# Altium PCB 电磁阀V3.0.PcbDoc (part 2 of 2)
Units mm, origin at the board's own origin, x right, y up, seen from the top; angles counter-clockwise.
Board outline 110.27 x 95.22 mm, 2 copper layers (Top Layer, Bottom Layer); 189 components, 127 nets, 558 pads, 104 vias.
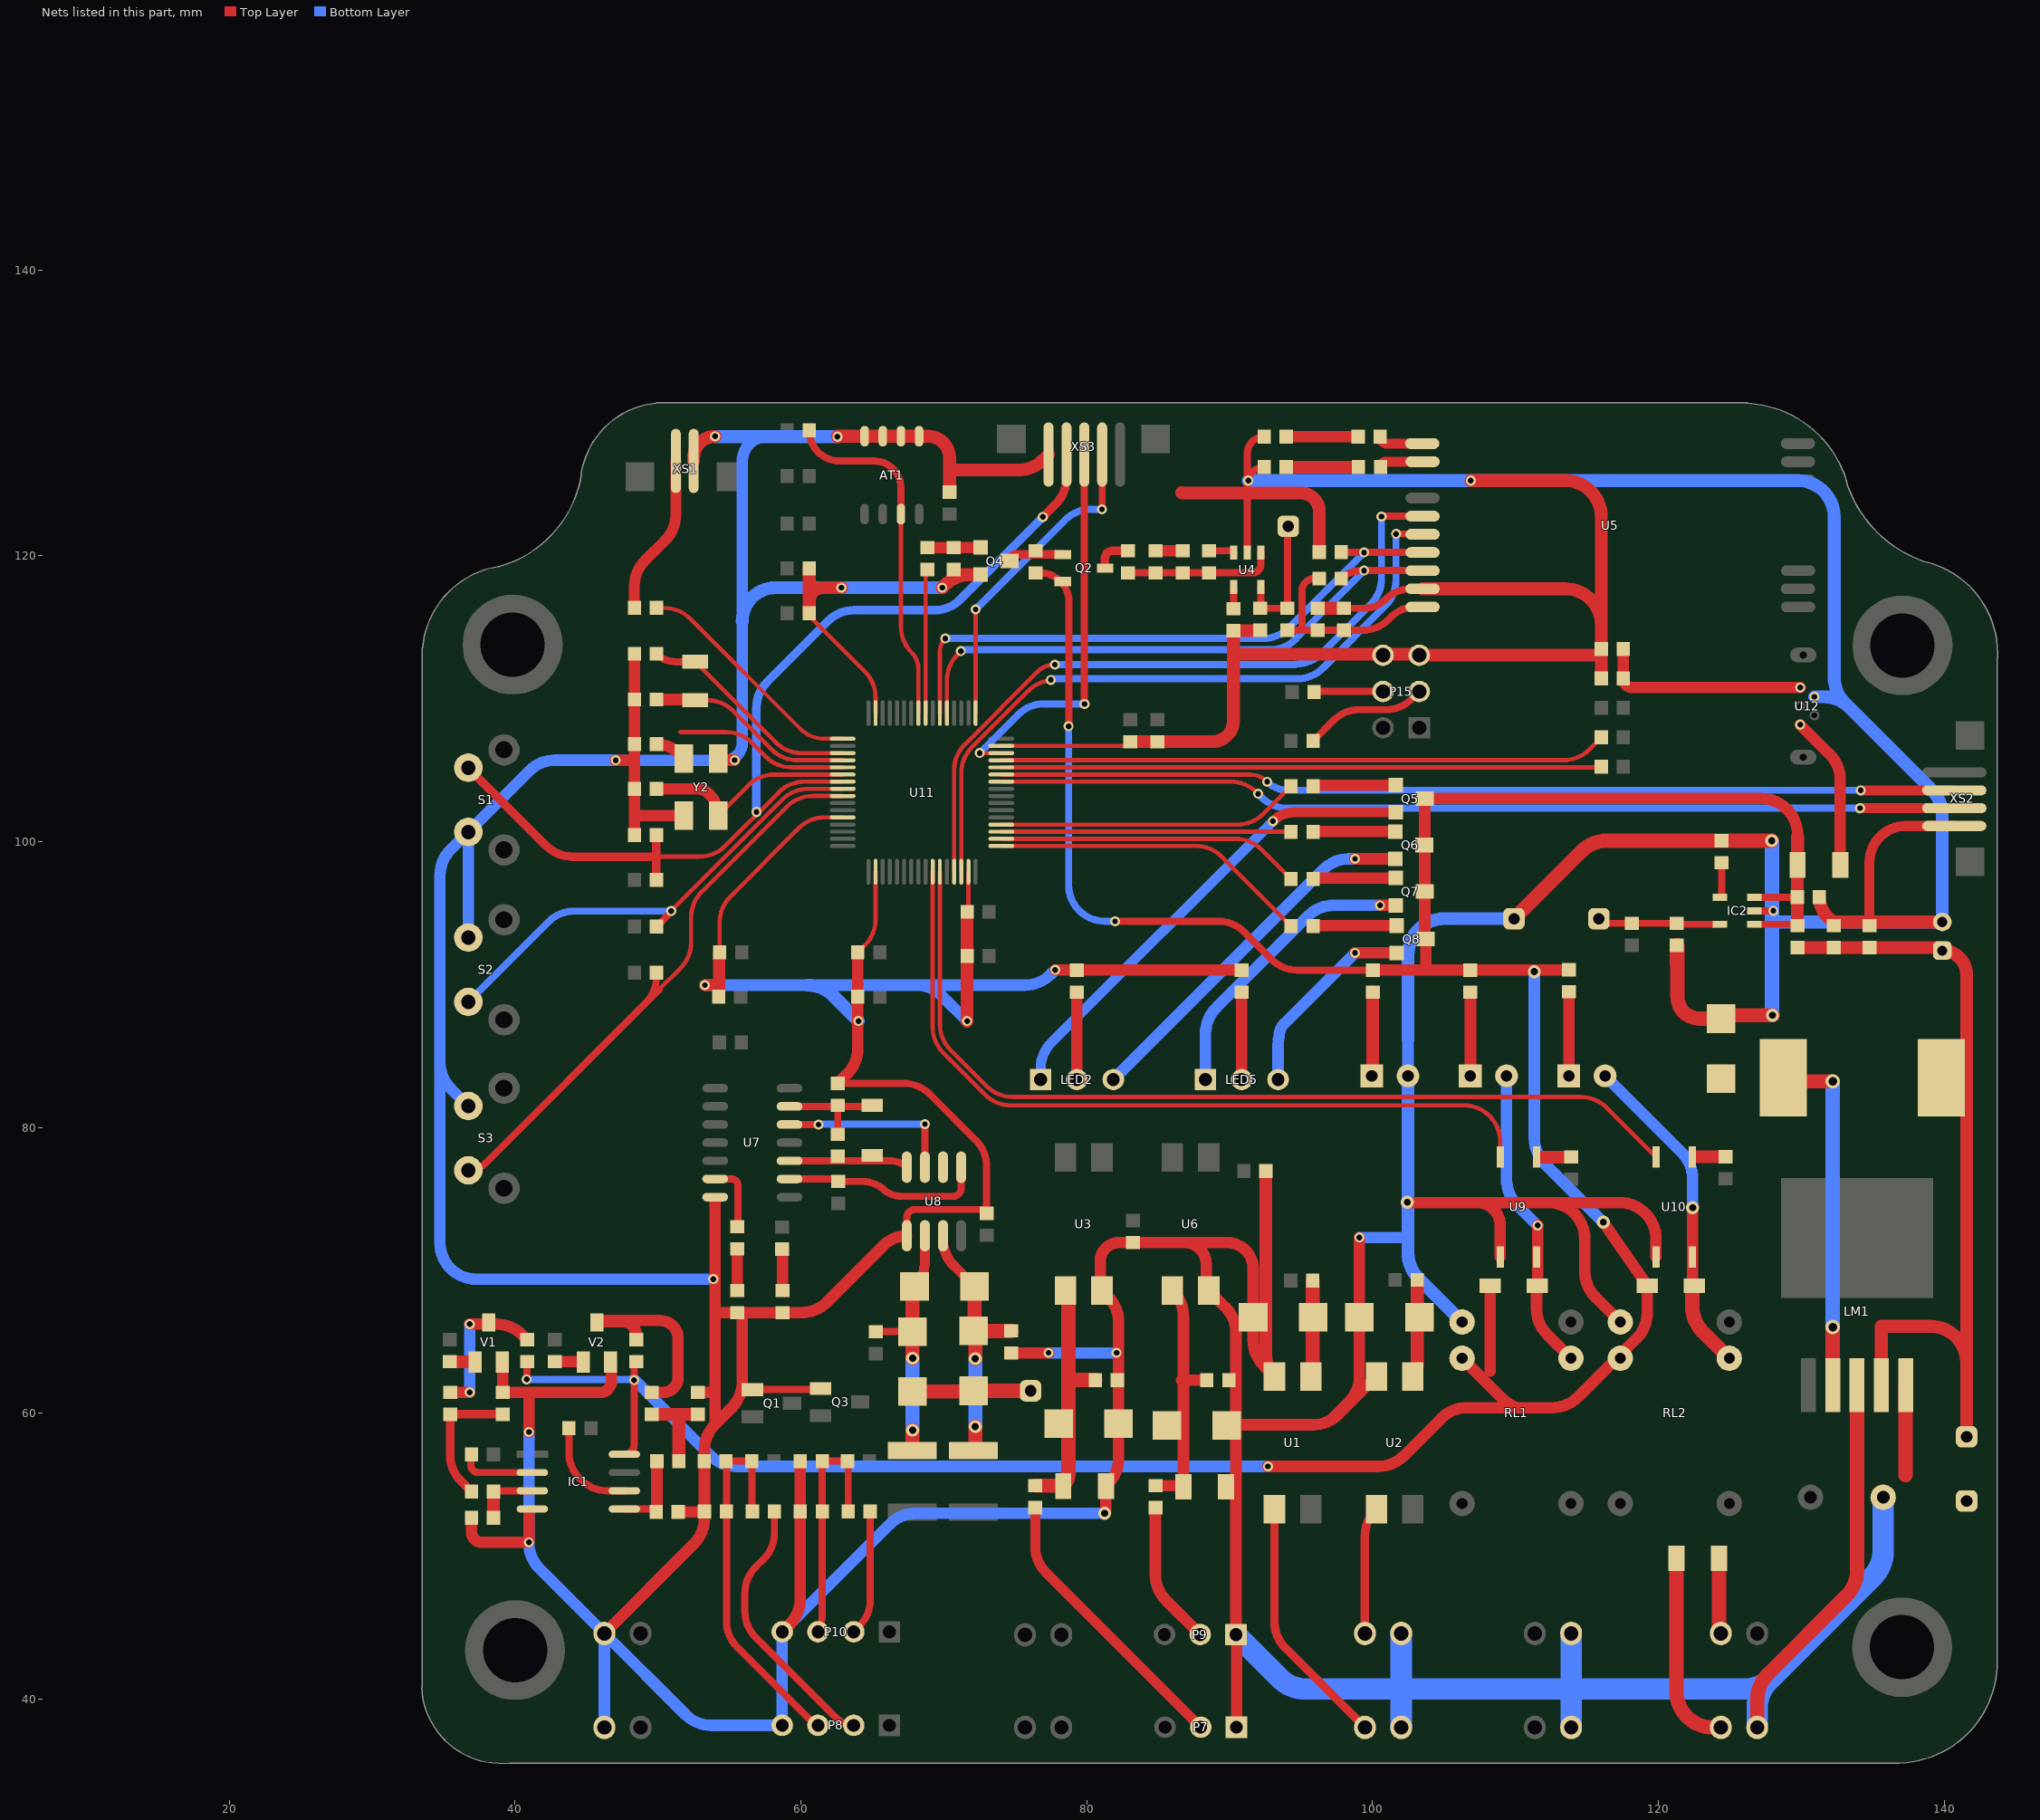
[diagram p2: the nets of this part, all layers, seen from the top]

## Via types
v1: diameter 0.7, hole 0.4, Top Layer to Bottom Layer, 87 vias
v2: diameter 0.9, hole 0.5, Top Layer to Bottom Layer, 15 vias
v3: diameter 1, hole 0.6, Top Layer to Bottom Layer, 2 vias

## Nets (pads, with @x,y where several pads share a name; then routed paths per layer and width w, separated by ;. In a path a pad name is that pad's centre, name@x,y a point inside that pad or via, vN(x,y) a via of type N, cw(c..) or ccw(c..) an arc to the next point about the centre after c; other vN are vias at no path point) (continued)
GND: AT1.1 AT1.2 AT1.3 AT1.4 C1.1 C2.1 C3.2 C4.2 C5.1 C6.1 C7.1 C8.1 C9.1 C10.2 C11.1 C12.1 C13.1 C14.1 C15.1 C16.1 C17.1 C18.1 C19.2 C20.2 C21.1 C22.1 C23.1 C24.2 C25.2 C26.2 C27.2 C28.2 C29.1 C30.2 C31.2 C32.2 C33.1 C34.1 C35.1 C36.1 C37.1 C38.1 C39.2 C40.2 D1.1 D2.1 D3.1 D4.1 D5.K D6.K D7.1 D12.K D13.K GND1.1 GND-1.1 IC1.4 IC2.2 LED1.2 LM1.3 LM1.5 P1.2 P3.2 P4.2 P5.1 P6.1 P7.1 P8.4 P9.1 P10.4 P13.2 P14.2 P15.5 P15.6 Q1.1 Q3.1 Q4.2 R16.1 R19.1 R24.1 R28.1 R29.1 R33.1 R35.1 R36.1 R38.1 R43.1 R53.1 R60.1 RL1.1 RL2.1 S1.1 S2.2 S3.2 U1.2 U2.2 U3.2 U4.2 U5.9 U6.2 U7.7 U8.5 U9.3 U10.3 U11.12 U11.18 U11.31 U11.47 U11.63 U12.4 V1.2 V2.2 XS1.1 XS2.4 XS3.1 Y2.2 Y2.4 | length 1053.3
  Top Layer w0.3: C35.1@54.323,92.253 54.323,94.368 cw(c56.863,94.368) 55.067,96.164 59.863,100.96 cw(c61.659,99.164) 61.659,101.704 U11.12@62.928,101.704 ; C24.2@60.587,116.002 60.587,115.799 64.484,111.901 cw(c62.688,110.105) 65.228,110.105 U11.63@65.228,109.004 ; C38.1@63.983,92.253 64.484,92.755 ccw(c62.688,94.551) 65.228,94.551 U11.18@65.228,97.904 ; C39.2@71.636,95.098 ccw(c71.636,95.19) 71.728,95.19 U11.31@71.728,97.904 ; U11.47@74.028,106.704 C29.1@83.045,106.704
  Top Layer w0.5: Q1.1@56.617,61.671 Q3.1@60.706,61.671 ; C20.2@62.586,83.091 67.215,83.091 cw(c67.215,80.551) 69.011,82.347 72.256,79.103 cw(c70.46,77.307) 73,77.307 C19.2@73,73.998 ccw(c72.728,73.998) 72.728,74.27 67.996,74.27 ccw(c67.996,73.685) 67.412,73.685 U8.5@67.412,72.428 ; U4.2@91.252,120.612 91.252,124.409 91.252,125.042 cw(c92.423,125.042) D6.K@92.423,126.213 ; v1@91.252,125.273 91.252,127.176 cw(c92.423,127.176) D5.K@92.423,128.346 ; C16.1@98.019,116.343 99.418,116.343 ccw(c99.418,118.449) 100.907,116.96 cw(c102.703,115.164) 102.703,117.704 U5.9@103.505,117.704 ; IC2.2@126.721,95.174 v1(128.051,95.174)
  Top Layer w0.7: C5.1@134.78,94.14 134.78,94.386 134.78,98.561 cw(c137.32,98.561) 137.32,101.101 XS2.4@140.716,101.101
  Top Layer w0.8: C2.1@36.949,52.705 36.949,51.722 ccw(c37.694,51.722) 37.694,50.978 v1(40.97,50.978) 40.97,53.035 ; V1.2@39.111,63.602 cw(c39.038,63.528) 39.141,63.528 C1.1@39.141,61.476 40.97,61.476 40.97,61.468 ; v1(40.97,58.699) 40.97,61.468 ; P6.1@46.251,44.602 52.512,50.863 ccw(c50.716,52.659) 53.256,52.659 cw(c53.317,52.721) 53.23,52.721 R24.1@53.23,53.119 ; V2.2@46.68,63.602 cw(c46.68,63.546) 46.736,63.546 46.736,62.23 cw(c45.974,62.23) 45.974,61.468 40.97,61.468 ; v1(47.041,105.704) 48.354,105.704 ; C32.2@48.354,100.457 48.354,101.835 ; C28.2@48.354,113.157 C27.2@48.354,109.957 C31.2@48.354,106.832 48.354,105.704 ; C8.1@51.418,53.111 53.194,53.111 ccw(c53.194,53.198) R24.1@53.23,53.119 ; Y2.4@51.81,101.835 48.354,101.835 ; C7.1@52.807,61.476 54.007,61.476 ; R24.1@53.23,53.137 R24.1@53.23,53.119 ; R24.1@53.256,53.137 53.256,57.436 cw(c55.796,57.436) 54,59.232 54.007,59.24 ; v1(53.289,89.967) 54.246,89.967 54.246,92.069 cw(c54.507,92.069) C35.1@54.323,92.253 54.323,89.338 cw(c54.062,89.338) C34.1@54.246,89.154 ; U7.7@54.007,74.905 54.007,66.98 ; Y2.2@54.21,105.835 ccw(c54.5,106.126) 54.5,105.715 v1(55.372,105.715) ; D13.K@55.905,67.023 55.905,62.19 cw(c53.365,62.19) 55.808,61.492 cw(c53.365,62.19) 55.161,60.394 54.007,59.24 ; P10.4@58.699,44.714 59.217,45.232 ccw(c57.421,47.029) 59.961,47.029 59.961,51.079 C18.1@59.961,56.661 ; C20.2@62.586,83.091 63.239,83.744 ccw(c61.443,85.54) 63.983,85.54 C40.2@63.983,89.154 C38.1@63.983,92.253 ; U8.5@67.412,72.428 ccw(c67.412,70.13) 65.786,71.755 61.823,67.792 cw(c60.027,69.588) 60.027,67.048 D12.K@58.725,67.048 D13.K@55.55,67.048 54.076,67.048 ccw(c54.076,66.98) 54.007,66.98 ; R38.1@74.727,64.229 77.328,64.229 v1(77.336,64.237) ; v1(77.8,91.034) ccw(c77.842,91.076) 77.842,91.016 R53.1@90.83,91.016 ; v2(81.255,53.01) ccw(c81.03,53.234) 81.348,53.234 C9.1@81.348,54.915 81.493,55.061 ccw(c79.697,56.857) 82.237,56.857 D4.1@82.237,59.284 82.237,66.387 ccw(c79.697,66.387) 81.493,68.183 U3.2@81.071,68.605 cw(c81.071,68.726) 80.95,68.726 80.95,70.643 cw(c82.257,70.643) 82.257,71.95 R19.1@83.236,71.95 86.876,71.95 ; C14.1@84.836,120.361 C10.2@86.716,120.361 ; P9.1@90.446,44.526 D7.1@90.446,59.03 ; P7.1@90.486,38.042 P9.1@90.486,44.526 ; U1.2@93.142,62.587 92.395,63.334 cw(c94.191,65.13) 91.651,65.13 D1.1@91.651,66.725 91.651,70.147 ccw(c89.848,70.147) 89.848,71.95 86.876,71.95 ; v1(99.085,72.314) 99.085,66.733 D3.1@99.093,66.725 99.093,62.589 cw(c96.553,62.589) 98.349,60.793 97.086,59.53 ; U2.2@100.279,62.587 97.643,59.951 cw(c95.847,61.747) 97.086,59.53 ; v2(102.438,74.778) ccw(c102.464,74.778) 102.464,74.752 107.34,74.752 ; U9.3@108.941,70.947 108.941,73.152 ccw(c107.34,73.152) 107.34,74.752 ; RL2.1@117.348,66.396 115.603,68.141 cw(c117.399,69.937) 114.859,69.937 114.859,72.212 ccw(c112.319,72.212) 112.319,74.752 ; U10.3@119.837,70.947 119.837,72.212 ccw(c117.297,72.212) 117.297,74.752 112.319,74.752 ; 48.354,101.835 C30.2@48.354,103.708 48.354,105.704 ; 54.007,59.24 54.007,61.476 ; 54.007,61.476 54.007,66.98 ; 86.876,71.95 cw(c86.876,70.46) 88.367,70.46 88.367,68.783 ccw(c88.544,68.783) U6.2@88.544,68.605 89.702,67.448 cw(c87.906,65.652) 90.446,65.652 D7.1@90.446,59.03 ; D7.1@90.446,59.03 cw(c90.875,58.6) 90.875,59.207 95.847,59.207 ccw(c95.847,61.747) 97.086,59.53 ; 107.34,74.752 112.319,74.752
  Top Layer w0.9: XS1.1@52.502,126.644 52.502,126.873 cw(c54,126.873) v1(54,128.372) ; C24.2@60.587,116.002 60.587,116.84 ; C25.2@60.587,119.126 60.587,116.84 ; v1(62.56,128.346) cw(c62.593,128.346) 62.593,128.379 AT1.4@64.465,128.379 AT1.3@65.735,128.379 AT1.2@67.005,128.379 AT1.1@68.275,128.379 68.902,128.379 cw(c68.902,126.873) 70.408,126.873 70.408,126.289 ; v1(62.84,117.78) 61.527,117.78 ccw(c61.527,116.84) 60.587,116.84 ; v1(69.901,117.78) 70.063,117.942 cw(c71.86,116.146) 71.86,118.686 ; C36.1@70.409,124.468 70.408,126.289 ; R35.1@70.687,119.05 ccw(c71.051,119.05) 71.051,118.686 71.86,118.686 ; v1(71.636,87.452) C37.1@71.636,91.999 C39.2@71.636,95.098 ; Q4.2@72.568,118.686 71.86,118.686 ; XS3.1@77.336,127.094 76.996,126.753 cw(c75.2,128.549) 75.2,126.009 71.083,126.009 cw(c71.083,126.963) 70.408,126.289 ; C29.1@83.045,107.002 88.79,107.002 ccw(c88.79,108.483) 90.272,108.483 90.272,113.132 ; 86.665,124.435 ccw(c86.69,124.435) 86.69,124.409 91.252,124.409 94.971,124.409 cw(c94.971,123.096) 96.283,123.096 R28.1@96.283,120.269 ; C11.1@92.151,114.8 cw(c92.09,114.861) 92.09,114.775 C12.1@90.272,114.775 90.272,113.132 ; R33.1@92.54,76.962 92.54,64.04 ccw(c94.594,64.04) U1.2@93.142,62.587 ; C17.1@96.164,116.343 C16.1@98.019,116.343 ; U5.9@103.505,117.704 113.479,117.704 cw(c113.479,115.164) 116.019,115.164 ; v1(106.883,125.273) 113.479,125.273 cw(c113.479,122.733) 116.019,122.733 R60.1@116.019,113.474 ; C33.1@116.019,111.417 116.019,113.472 cw(c115.6,113.474) 115.6,113.055 P15.5@103.276,113.055 ccw(c103.2,113.055) 103.2,113.132 90.272,113.132 ; C22.1@131.275,96.139 ccw(c133.274,96.139) C6.1@132.396,94.344 ; C6.1@132.288,94.14 cw(c132.534,94.14) C6.1@132.396,94.344 ; C3.2@139.878,94.386 134.78,94.386 132.534,94.386 ccw(c132.534,94.14) C6.1@132.396,94.344
  Top Layer w1: GND-1.1@109.906,94.615 114.623,99.332 cw(c116.419,97.536) 116.419,100.076 C23.1@124.435,100.076 v2(127.94,100.076) ; P3.2@126.926,38.024 126.926,39.946 cw(c129.466,39.946) 127.67,41.742 133.167,47.238 ccw(c131.371,49.035) 133.911,49.035 LM1.3@133.911,61.976 ; v2(127.991,87.859) 124.955,87.859 ccw(c124.955,87.05) D2.1@124.384,87.622 122.893,87.622 cw(c122.893,89.179) 121.336,89.179 121.336,91.267 ; 137.311,55.689 LM1.5@137.311,61.976 ; 121.336,91.267 cw(c123.825,91.773) 121.285,91.773 C21.1@121.285,92.753 cw(c121.285,92.702) 121.336,92.702 121.336,91.267
  Bottom Layer w0.8: S3.2@36.728,81.509 35.491,82.746 cw(c37.287,84.542) 34.747,84.542 ; S2.2@36.728,93.294 S1.1@36.728,100.681 ; v1(40.97,58.699) v1(40.97,50.978) 40.97,50.935 ccw(c43.51,50.935) 41.714,49.139 P6.1@46.251,44.602 ; P5.1@46.251,38.024 P6.1@46.251,44.602 ; v1(47.041,105.704) 54.701,105.704 ; v1@47.041,105.715 42.814,105.715 ccw(c42.814,103.175) 41.018,104.971 S1.1@36.728,100.681 ; v1(53.289,89.967) 60.467,89.967 68.069,89.967 ; v1(53.873,69.393) 37.287,69.393 cw(c37.287,71.933) 34.747,71.933 34.747,84.542 ; 57.633,128.346 ccw(c57.633,126.619) 55.905,126.619 55.905,115.443 55.905,106.909 ; v1(71.636,87.452) 69.866,89.223 ccw(c68.069,87.427) 68.069,89.967 ; v1(77.336,64.237) v1(82.093,64.237) ; v1(77.8,91.034) 77.477,90.711 cw(c75.681,92.507) 75.681,89.967 68.069,89.967 ; v2(81.255,53.01) 68.047,53.01 ccw(c68.047,50.47) 66.251,52.266 P10.4@58.699,44.714 P8.4@58.699,38.169 53.736,38.169 cw(c53.736,40.709) 51.94,38.913 P6.1@46.251,44.602 ; v1(99.085,72.314) 102.489,72.314 ; LED1.2@102.489,83.617 102.489,86.146 ; 34.747,84.542 34.747,97.648 cw(c37.287,97.648) 35.491,99.444 S1.1@36.728,100.681 ; 54.701,105.704 ccw(c54.701,106.909) 55.905,106.909 ; 54.701,105.704 ccw(c54.701,106.909) 55.905,106.909
  Bottom Layer w0.9: v1(54,128.372) ccw(c54.026,128.372) 54.026,128.346 57.633,128.346 v1(62.56,128.346) ; 55.905,115.443 cw(c58.242,115.443) 58.242,117.78 v1(62.84,117.78) v1(69.901,117.78) ; 60.467,89.967 cw(c60.467,87.427) 62.263,89.223 v1(64.033,87.452) ; v1(91.313,125.273) v1(106.883,125.273) 129.769,125.273 cw(c129.769,122.733) 132.309,122.733 132.309,111.517 ccw(c134.849,111.517) 133.053,109.721 133.374,109.399 ; LED1.2@102.489,83.617 102.489,72.314 102.489,71.232 ccw(c105.029,71.232) 103.233,69.436 RL1.1@106.274,66.396 ; 102.489,86.146 102.489,92.075 cw(c105.029,92.075) 105.029,94.615 GND-1.1@109.906,94.615 ; 127.965,94.386 C3.2@139.878,94.386 139.878,101.843 ccw(c137.338,101.843) 139.134,103.639 133.374,109.399 ; U12.4@130.93,110.143 131.578,110.143 cw(c131.578,107.603) 133.374,109.399
  Bottom Layer w1: v2(127.94,100.076) 127.94,100 cw(c127.878,99.938) 127.965,99.938 127.965,94.386 127.965,87.92 ccw(c128.052,87.92) v2(127.991,87.859)
  Bottom Layer w1.5: P9.1@90.446,44.526 93.512,41.46 ccw(c95.308,43.256) 95.308,40.716 102.013,40.716 ; P1.2@102.013,38.024 102.013,40.716 ; P4.2@102.013,44.602 102.013,40.716 ; P14.2@113.904,38.024 113.904,40.716 ; P13.2@113.904,44.602 113.904,40.716 ; P3.2@126.926,38.024 126.926,39.438 cw(c129.466,39.438) 127.67,41.234 127.896,41.46 ; C4.2@135.738,54.127 135.738,50.354 cw(c133.198,50.354) 134.994,48.557 127.896,41.46 ; 102.013,40.716 113.904,40.716 ; 113.904,40.716 126.1,40.716 ccw(c126.1,43.256) 127.896,41.46
GROUND: D8.2 D14.1 GROUND1.1 | length 8.3
  Top Layer w1: D14.1@67.818,61.527 71.961,61.527 cw(c72.085,61.403) D8.2@72.085,61.578 GROUND1.1@76.073,61.578
IIN1: C13.2 P8.3 R20.2 R22.1 R24.2 | length 26.3
  Top Layer w0.5: R20.2@56.609,53.137 cw(c56.691,53.219) 56.575,53.219 R22.1@56.575,56.661 C13.2@54.77,56.661 cw(c54.709,56.599) 54.796,56.599 R24.2@54.796,53.137 54.796,45.454 ccw(c57.336,45.454) 55.54,43.658 P8.3@61.022,38.176
IIN2: C18.2 P10.3 R32.2 R34.1 R36.2 | length 17.4
  Top Layer w0.5: P10.3@61.022,44.722 ccw(c59.863,45.88) 61.501,45.88 R36.2@61.501,53.137 C18.2@61.501,56.661 R34.1@63.263,56.661 cw(c63.14,56.538) 63.314,56.538 R32.2@63.314,53.137
K1: R66.2 S2.1 U11.8 | length 35.2
  Top Layer w0.3: R66.2@49.894,94.056 cw(c50.097,94.056) 49.953,94.2 54.435,98.682 ; 54.436,98.683 58.713,102.96 cw(c60.51,101.164) 60.51,103.704 U11.8@62.928,103.704
  Top Layer w0.5: R66.2@49.894,94.056 50.866,95.028 cw(c50.927,94.967) 50.927,95.054 v1(50.927,95.148)
  Bottom Layer w0.5: S2.1@36.728,88.794 42.339,94.404 cw(c44.135,92.608) 44.135,95.148 v1(50.927,95.148)
K2: R67.2 S3.1 U11.9 | length 41.2
  Top Layer w0.3: 50.08,89.654 51.58,91.154 ccw(c49.784,92.95) 52.324,92.95 52.324,94.706 cw(c54.864,94.706) 53.068,96.502 59.026,102.46 cw(c60.822,100.664) 60.822,103.204 U11.9@62.928,103.204
  Top Layer w0.5: S3.1@36.728,77.009 ccw(c36.728,78.714) 37.934,77.508 49.15,88.724 ; R67.2@49.894,90.83 49.894,90.52 cw(c47.354,90.52) 49.15,88.724 ; 50.08,89.654 49.15,88.724
KCZJ-1: U9.2 U11.26 | length 55.8
  Top Layer w0.3: U11.26@69.228,97.904 69.228,87.018 ccw(c71.768,87.018) 69.972,85.222 72.893,82.301 ccw(c74.689,84.097) 74.689,81.557 106.401,81.557 cw(c106.401,79.017) 108.941,79.017 U9.2@108.941,77.947
KCZJ-2: U10.2 U11.27 | length 64.9
  Top Layer w0.3: U11.27@69.728,97.904 69.728,87.229 ccw(c72.268,87.229) 70.472,85.433 73.018,82.888 ccw(c74.814,84.684) 74.814,82.144 114.589,82.144 cw(c114.589,79.604) 116.385,81.4 U10.2@119.837,77.947
LED1: R37.1 U11.36 | length 21.3
  Top Layer w0.3: U11.36@74.028,101.204 90.568,101.204 ccw(c90.568,103.744) 92.364,101.948 R37.1@94.302,103.886
LED2: R49.2 U11.35 | length 20.3
  Top Layer w0.3: U11.35@74.028,100.704 94.247,100.704 cw(c94.247,100.626) R49.2@94.302,100.681
LED3: R52.1 U11.34 | length 21.3
  Top Layer w0.3: U11.34@74.028,100.204 90.43,100.204 cw(c90.43,97.664) 92.226,99.46 R52.1@94.302,97.384
LED4: R54.2 U11.33 | length 22.5
  Top Layer w0.3: U11.33@74.028,99.704 87.653,99.704 cw(c87.653,97.164) 89.449,98.96 R54.2@94.302,94.107
LoRa_3V3: C16.2 C17.2 R18.2 R30.1 U5.10 | length 14.4
  Top Layer w0.5: R18.2@94.056,114.803 95.072,114.803 ; R30.1@96.283,118.415 95.933,118.415 ccw(c95.933,117.554) 95.072,117.554 95.072,114.803 ; U5.10@103.505,116.434 103.012,116.434 ccw(c103.012,114.005) 101.295,115.722 101.12,115.547 cw(c99.324,117.343) 99.324,114.803 C16.2@98.019,114.803 95.072,114.803
LORA_PWR: R31.1 U11.56 | length 10.1
  Top Layer w0.3: U11.56@68.728,109.004 68.728,118.92 cw(c68.859,118.92) R31.1@68.859,119.05
LoRa_RX: U5.5 U11.29 | length 50.6
  Top Layer w0.3: U11.29@70.728,97.904 70.728,105.008 cw(c73.268,105.008) 71.472,106.804 76.561,111.892 cw(c77.775,110.678) v1(77.775,112.395)
  Top Layer w0.5: v1@100.686,122.784 U5.5@103.505,122.784
  Bottom Layer w0.5: v1(77.775,112.395) 94.604,112.395 94.655,112.446 ccw(c94.655,114.986) 96.451,113.19 99.891,116.629 ccw(c98.095,118.426) 100.635,118.426 v1(100.635,122.758)
LoRa_TX: U5.6 U11.30 | length 49.2
  Top Layer w0.3: U11.30@71.228,97.904 71.228,104.822 cw(c73.768,104.822) 71.972,106.618 75.913,110.559 cw(c77.709,108.763) 77.709,111.303 77.684,111.328 v1(77.495,111.328)
  Top Layer w0.5: v1(101.651,121.539) 103.48,121.539 U5.6@103.505,121.514
  Bottom Layer w0.5: v1(77.495,111.328) cw(c77.679,111.144) 77.679,111.404 94.731,111.404 ccw(c94.731,113.944) 96.527,112.148 100.907,116.528 ccw(c99.111,118.324) 101.651,118.324 v1(101.651,121.539)
MCU_RX: U11.43 XS2.2 | length 67
  Top Layer w0.3: U11.43@74.028,104.704 91.427,104.704 cw(c91.427,102.997) v1(92.634,104.204)
  Top Layer w0.7: v1(134.168,103.601) XS2.2@140.716,103.601
  Bottom Layer w0.5: v1(92.634,104.204) ccw(c94.09,105.66) 94.09,103.601 v1(134.168,103.601)
MCU_TX: U11.42 XS2.3 | length 67.3
  Top Layer w0.3: U11.42@74.028,104.204 90.095,104.204 cw(c90.095,101.664) 91.891,103.46 v1(91.999,103.353)
  Top Layer w0.7: v1(134.122,102.351) XS2.3@140.716,102.351
  Bottom Layer w0.5: v1(91.999,103.353) 92.256,103.095 ccw(c94.052,104.891) 94.052,102.351 v1(134.122,102.351)
  Bottom Layer w0.7: v1@134.087,102.337 cw(c134.122,102.301) v1(134.122,102.351)
Net1_1: 5V.1 C21.2 IC2.5 R41.1 | length 8.6
  Top Layer w0.5: 5V.1@115.849,94.615 ccw(c116.627,95.393) 116.627,94.293 C21.2@121.285,94.293 ccw(c121.452,94.459) 121.452,94.224 IC2.5@124.321,94.224
Net+1_1: +1.1 C3.1 C5.2 C6.2 L1.2 LM1.4 R8.1 | length 56.7
  Top Layer w0.9: R8.1@129.797,92.6 139.664,92.6 cw(c139.664,92.386) C3.1@139.878,92.386 cw(c139.878,90.685) 141.58,90.685 141.58,63.551 ; LM1.4@135.611,61.976 135.611,66.091 139.04,66.091 cw(c139.04,63.551) 141.58,63.551 ; +1.1@141.58,58.369 141.58,63.551
NetC1_2: C1.2 R5.1 R6.2 | length 9.6
  Top Layer w0.6: R5.1@36.949,54.534 36.202,55.28 cw(c37.998,57.077) 35.458,57.077 R6.2@35.458,59.936 C1.2@39.141,59.936
NetC2_2: C2.2 IC1.3 R5.2 | length 4.6
  Top Layer w0.5: R5.2@38.489,54.534 cw(c38.54,54.534) 38.54,54.585 IC1.3@41.21,54.585
  Top Layer w0.9: C2.2@38.489,52.705 R5.2@38.489,54.534
NetC7_2: C7.2 R12.1 R13.2 | length 6.5
  Top Layer w0.9: R13.2@49.573,59.936 51.537,59.936 ; R12.1@51.468,56.642 51.468,59.771 cw(c51.701,59.771) 51.537,59.936 ; C7.2@52.807,59.936 51.537,59.936
NetC8_2: C8.2 IC1.5 R12.2 | length 5.9
  Top Layer w0.5: IC1.5@47.65,53.31 49.679,53.31 cw(c49.679,53.111) C8.2@49.878,53.111
  Top Layer w0.8: C8.2@49.878,53.111 ccw(c49.878,53.162) 49.928,53.162 R12.2@49.928,56.642
NetC9_2: C9.2 D4.2 R15.2 R16.2 U3.1 | length 17.7
  Top Layer w1: R15.2@76.403,54.948 78.287,54.948 cw(c78.287,54.834) C9.2@78.368,54.915 ccw(c77.511,55.772) 78.723,55.772 78.723,62.281 ; U3.1@78.531,68.605 cw(c78.068,68.142) 78.723,68.142 78.723,62.281 ; R16.2@80.612,62.332 78.845,62.332 ccw(c78.845,62.158) 78.723,62.281
NetC10_1: C10.1 C14.2 R17.2 R21.1 U4.1 | length 10.5
  Top Layer w0.5: R17.2@82.906,118.821 91.618,118.821 ccw(c91.618,119.405) 92.202,119.405 U4.1@92.202,120.231
NetC11_2: C11.2 LoRa-1.1 R18.1 U4.5 | length 9.2
  Top Layer w0.5: U4.5@92.202,117.831 92.202,116.463 cw(c92.029,116.463) C11.2@92.151,116.34 94.053,116.34 94.053,121.943 cw(c94.237,121.943) LoRa-1.1@94.107,122.072
NetC12_2: C12.2 U4.4 | length 1.5
  Top Layer w0.5: C12.2@90.272,116.315 ccw(c90.198,116.388) 90.302,116.388 U4.4@90.302,117.831
NetC15_2: C15.2 D7.2 R26.2 R29.2 U6.1 | length 17.7
  Top Layer w0.8: R26.2@84.811,54.948 86.572,54.948 cw(c86.572,54.661) C15.2@86.775,54.864 86.775,62.332 ; U6.1@86.004,68.605 86.031,68.579 cw(c84.235,66.783) 86.775,66.783 86.775,62.332 ; 86.622,62.332 86.775,62.332 ; R29.2@88.409,62.332 86.775,62.332
NetC20_1: C20.1 D10.1 R45.2 U7.13 | length 7.8
  Top Layer w0.5: U7.13@59.207,81.483 C20.1@62.586,81.483 ; R45.2@62.586,79.535 C20.1@62.586,81.483 ; C20.1@62.586,81.551 C20.1@62.586,81.483 ; D10.1@64.999,81.557 cw(c64.925,81.557) 64.925,81.483 C20.1@62.586,81.483
NetC23_2: C23.2 IC2.4 | length 1.9
  Top Layer w0.5: IC2.4@124.321,96.124 ccw(c124.003,96.441) 124.452,96.441 124.452,98.019
NetC27_1: C27.1 U11.4 Y1.1 | length 14.6
  Top Layer w0.3: Y1.1@52.603,109.906 53.456,109.906 cw(c53.456,107.366) 55.252,109.162 57.966,106.448 ccw(c59.762,108.244) 59.762,105.704 U11.4@62.928,105.704
  Top Layer w0.8: C27.1@49.894,109.957 52.481,109.957 cw(c52.481,109.783) Y1.1@52.603,109.906
NetC28_1: C28.1 U11.3 Y1.2 | length 15.7
  Top Layer w0.3: Y1.2@52.603,112.598 58.253,106.948 ccw(c60.05,108.744) 60.05,106.204 U11.3@62.928,106.204
  Top Layer w0.5: C28.1@49.894,113.157 ccw(c51.243,114.506) 51.243,112.598 Y1.2@52.603,112.598
NetC30_1: C30.1 U11.6 Y2.1 | length 15.3
  Top Layer w0.3: Y2.1@54.21,101.835 56.335,103.96 cw(c58.131,102.164) 58.131,104.704 U11.6@62.928,104.704
  Top Layer w0.8: C30.1@49.894,103.708 52.71,103.708 cw(c52.71,102.494) 53.569,103.353 53.59,103.331 cw(c52.094,101.835) Y2.1@54.21,101.835
NetC31_1: C31.1 U11.5 Y2.3 | length 14.4
  Top Layer w0.3: 51.562,107.671 54.777,107.671 cw(c54.777,105.131) 56.573,106.927 57.552,105.948 ccw(c59.348,107.744) 59.348,105.204 U11.5@62.928,105.204
  Top Layer w0.8: C31.1@49.894,106.832 cw(c49.894,104.614) 51.462,106.183 Y2.3@51.81,105.835
NetC33_2: C33.2 R60.2 U12.5 | length 14.8
  Top Layer w0.8: R60.2@117.559,113.474 C33.2@117.559,111.417 ccw(c118.183,111.417) 118.183,110.793 U12.5@129.93,110.793
NetD1_2: D1.2 R1.2 U1.1 | length 6.7
  Top Layer w1: U1.1@95.682,62.587 ccw(c95.356,62.913) 95.817,62.913 R1.2@95.817,69.291
NetD2_2: D2.2 L1.1 LM1.2 | length 25
  Top Layer w1: L1.1@128.626,83.49 L1.1@128.753,83.49 ccw(c129.007,83.49) 129.007,83.236 v3(132.207,83.236) ; v3(132.207,66.04) 132.211,66.04 LM1.2@132.211,61.976
  Bottom Layer w1: v3(132.207,66.04) v3(132.207,83.236)
NetD3_2: D3.2 R10.2 U2.1 | length 7.1
  Top Layer w0.9: U2.1@102.819,62.587 ccw(c102.064,63.343) 103.132,63.343 D3.2@103.132,66.537 ; R10.2@103.132,69.342 D3.2@103.132,66.537 ; D3.2@103.293,66.725 ccw(c104.438,65.581) D3.2@103.132,66.537
NetD5_A: D5.A R23.1 | length 5
  Top Layer w0.8: D5.A@93.963,128.346 R23.1@99.001,128.346
NetD6_A: D6.A R25.1 | length 5.1
  Top Layer w0.9: D6.A@93.963,126.213 R25.1@99.027,126.213
NetD8_1: D8.1 D9.1 F2.1 R38.2 U8.7 | length 18.6
  Top Layer w0.7: U8.7@69.952,72.428 69.952,72.139 ccw(c72.492,72.139) 70.696,70.343 D9.1@72.153,68.885
  Top Layer w1: F2.1@72.06,57.395 ccw(c71.692,57.763) 72.212,57.763 v2(72.212,59.08) ; D9.1@72.153,68.885 72.153,65.944 cw(c71.919,65.944) D8.1@72.085,65.778 ; v2(72.212,63.83) 72.212,65.471 ccw(c71.777,65.471) D8.1@72.094,65.768 ; R38.2@74.727,65.769 D8.1@72.094,65.769 ; D8.1@72.085,65.778 cw(c71.777,65.471) D8.1@72.094,65.768 ; D8.1@72.085,65.778 D8.1@72.094,65.769
  Bottom Layer w1: v2(72.212,59.08) v2(72.212,63.83)
NetD9_2: D9.2 D14.2 F3.1 R47.2 U8.6 | length 17.8
  Top Layer w0.5: R47.2@65.253,65.718 65.262,65.727 D14.2@67.818,65.727
  Top Layer w0.7: D9.2@67.953,68.885 ccw(c66.196,70.643) 68.682,70.643 U8.6@68.682,72.428
  Top Layer w1: F3.1@67.793,57.395 ccw(c67.731,57.456) 67.818,57.456 v2(67.818,58.826) ; v2(67.818,63.856) D14.2@67.818,65.727 67.818,68.559 cw(c68.28,68.559) D9.2@67.953,68.885
  Bottom Layer w1: v2(67.818,58.826) v2(67.818,63.856)
NetD10_2: D10.2 R45.1 U7.10 U8.4 | length 8.3
  Top Layer w0.5: U7.10@59.207,77.673 66.338,77.673 cw(c66.338,76.155) U8.4@67.412,77.228
NetD11_1: D11.1 LED3.2 RL1.5 U9.4 | length 21.5
  Top Layer w0.8: D11.1@111.481,68.936 111.481,67.321 ccw(c114.021,67.321) 112.225,65.525 RL1.5@113.894,63.856 ; D11.1@111.531,68.936 111.557,68.961 v1(111.557,73.152)
  Bottom Layer w0.8: LED3.2@109.385,83.617 109.385,76.376 ccw(c111.925,76.376) 110.129,74.58 v1(111.557,73.152)
NetD12_A: D12.A R42.1 | length 2.9
  Top Layer w0.8: R42.1@58.699,71.493 cw(c58.699,71.468) 58.725,71.468 D12.A@58.725,68.588
NetD13_A: D13.A R44.1 | length 2.9
  Top Layer w0.8: D13.A@55.55,68.588 R44.1@55.55,71.518
NetD15_1: D15.1 LED4.2 RL2.5 U10.4 | length 23.2
  Top Layer w0.8: D15.1@122.377,68.936 ccw(c122.316,68.997) 122.403,68.997 v2(122.403,74.397)
  Top Layer w1: D15.1@122.377,68.936 122.377,67.499 ccw(c124.917,67.499) 123.121,65.702 RL2.5@124.968,63.856
  Bottom Layer w0.8: LED4.2@116.281,83.617 121.659,78.239 cw(c119.863,76.443) 122.403,76.443 v2(122.403,74.397)
NetF1_1: F1.1 P3.1 | length 13.9
  Top Layer w1: F1.1@121.268,49.86 121.268,40.564 ccw(c123.808,40.564) 123.808,38.024 P3.1@124.384,38.024
NetF1_2: F1.2 P2.1 | length 5.3
  Top Layer w1: F1.2@124.248,49.86 124.248,44.738 ccw(c124.384,44.738) P2.1@124.384,44.602
NetF4_1: F4.1 U12.1 | length 10.9
  Top Layer w0.8: U12.1@129.93,108.193 131.988,106.135 cw(c130.192,104.339) 132.732,104.339 F4.1@132.732,98.374
NetIC1_2: IC1.2 R2.1 | length 5.4
  Top Layer w0.5: R2.1@36.949,57.135 ccw(c36.949,57.092) 36.906,57.092 36.906,56.388 ccw(c37.435,56.388) 37.435,55.86 IC1.2@41.21,55.86
NetIC1_6: IC1.6 R3.1 | length 7.1
  Top Layer w0.5: R3.1@43.774,58.979 43.774,57.253 ccw(c46.314,57.253) 44.518,55.457 44.646,55.329 ccw(c46.442,57.125) 46.442,54.585 IC1.6@47.65,54.585
NetLED1_1: LED1.1 R9.2 | length 5.9
  Top Layer w0.9: LED1.1@99.949,83.617 ccw(c99.765,83.801) 100.025,83.801 R9.2@100.025,89.476
NetLED2_1: LED2.1 Q5.2 | length 33.5
  Top Layer w0.7: v1(93.04,101.448) cw(c94.512,99.976) 94.512,102.057 Q5.2@101.625,102.057
  Bottom Layer w0.7: LED2.1@76.784,83.363 76.784,84.139 cw(c79.324,84.139) 77.528,85.936 v1(93.04,101.448)
NetLED2_2: LED2.2 R43.2 | length 6.1
  Top Layer w0.8: LED2.2@79.324,83.363 R43.2@79.324,89.476
NetLED2_3: LED2.3 Q6.2 | length 26
  Top Layer w0.8: v1(98.781,98.806) Q6.2@101.6,98.806
  Bottom Layer w0.8: LED2.3@81.864,83.363 96.563,98.062 cw(c98.36,96.266) 98.36,98.806 v1(98.781,98.806)
NetLED3_1: LED3.1 R48.2 | length 5.9
  Top Layer w0.8: LED3.1@106.845,83.617 ccw(c106.814,83.647) 106.858,83.647 R48.2@106.858,89.476
NetLED4_1: LED4.1 R51.2 | length 5.9
  Top Layer w0.8: LED4.1@113.741,83.617 R51.2@113.741,89.502
NetLED5_1: LED5.1 Q7.2 | length 20.6
  Top Layer w0.8: v1(100.533,95.555) Q7.2@101.625,95.555
  Bottom Layer w0.8: LED5.1@88.316,83.363 88.316,86.578 cw(c90.856,86.578) 89.06,88.374 95.497,94.811 cw(c97.293,93.015) 97.293,95.555 v1(100.533,95.555)
NetLED5_2: LED5.2 R53.2 | length 6.1
  Top Layer w0.8: R53.2@90.83,89.476 cw(c90.769,89.415) 90.856,89.415 LED5.2@90.856,83.363
NetLED5_3: LED5.3 Q8.2 | length 13.9
  Top Layer w0.8: v1(98.781,92.227) Q8.2@101.702,92.227
  Bottom Layer w0.8: LED5.3@93.396,83.363 93.396,85.79 cw(c95.936,85.79) 93.47,86.399 cw(c94.72,86.399) 93.836,87.283 v1(98.781,92.227)
NetP1_1: P1.1 U1.3 | length 17.8
  Top Layer w0.6: U1.3@93.142,53.287 93.142,45.405 ccw(c95.682,45.405) 93.886,43.609 P1.1@99.471,38.024
NetP4_1: P4.1 U2.3 | length 8.9
  Top Layer w0.6: P4.1@99.471,44.602 99.471,51.427 cw(c102.011,51.427) 100.215,53.223 U2.3@100.279,53.287
NetP7_2: P7.2 R15.1 | length 20.1
  Top Layer w0.7: R15.1@76.403,53.408 76.403,50.676 ccw(c78.943,50.676) 77.147,48.88 P7.2@87.986,38.042
NetP9_2: P9.2 R26.1 | length 10.1
  Top Layer w0.8: R26.1@84.811,53.408 84.811,48.713 ccw(c87.351,48.713) 85.555,46.917 P9.2@87.946,44.526
NetP15_3: P15.3 R61.2 | length 8.6
  Top Layer w0.5: R61.2@95.842,107.061 97.283,108.501 cw(c99.079,106.705) 99.079,109.245 100.954,109.245 ccw(c100.954,111.785) 102.75,109.989 P15.3@103.276,110.515
NetP15_4: P15.4 R62.1 | length 4.5
  Top Layer w0.5: R62.1@96.215,110.515 P15.4@100.736,110.515
NetQ2_1: Q2.1 Q4.3 R27.1 | length 4
  Top Layer w0.6: Q4.3@74.6,119.652 cw(c75.05,119.652) 75.05,120.101 Q2.1@78.332,120.101
NetQ2_3: Q2.3 R17.1 | length 2.6
  Top Layer w0.6: Q2.3@81.282,119.151 81.282,119.814 cw(c81.83,119.814) 81.83,120.361 R17.1@82.906,120.361
NetQ4_1: Q4.1 R31.2 R35.2 | length 3.7
  Top Layer w0.8: R31.2@68.859,120.59 R35.2@70.687,120.59 72.568,120.59 Q4.1@72.568,120.591
NetQ5_1: Q5.1 R37.2 | length 5.8
  Top Layer w0.8: R37.2@95.842,103.886 cw(c96.026,103.702) 96.026,103.962 Q5.1@101.625,103.962
NetQ6_1: Q6.1 R49.1 | length 5.8
  Top Layer w0.8: R49.1@95.842,100.681 cw(c95.914,100.61) 95.914,100.711 Q6.1@101.6,100.711
NetQ7_1: Q7.1 R52.2 | length 5.8
  Top Layer w0.8: R52.2@95.842,97.384 cw(c96.026,97.2) 96.026,97.46 Q7.1@101.625,97.46
NetQ8_1: Q8.1 R54.1 | length 5.9
  Top Layer w0.8: R54.1@95.842,94.107 cw(c95.903,94.046) 95.903,94.132 Q8.1@101.702,94.132
NetR4_1: R4.1 R6.1 V1.3 | length 10.5
  Top Layer w0.8: R6.1@35.458,61.476 v1(36.83,61.476) ; v1(36.83,66.243) 38.703,66.243 cw(c38.703,63.703) 40.499,65.499 R4.1@40.843,65.155
  Bottom Layer w0.8: v1(36.83,61.476) v1(36.83,66.243)
NetR7_2: R7.2 V1.1 | length 1.8
  Top Layer w0.889: R7.2@35.433,63.615 ccw(c35.465,63.647) 35.465,63.602 V1.1@37.211,63.602
NetR11_1: R11.1 R13.1 V2.3 | length 15.1
  Top Layer w0.8: R11.1@48.489,65.155 48.489,65.456 ccw(c47.523,65.456) 47.523,66.421 45.771,66.421 cw(c45.847,66.421) 45.847,66.497 50.165,66.497 cw(c50.165,65.253) 51.41,65.253 51.41,62.509 cw(c50.376,62.509) 50.376,61.476 R13.1@49.573,61.476
NetR14_2: R14.2 V2.1 | length 2
  Top Layer w0.8: R14.2@42.774,63.615 44.78,63.615 V2.1@44.78,63.602
NetR21_2: R21.2 U4.3 | length 1.8
  Top Layer w0.5: R21.2@88.57,120.361 90.171,120.361 cw(c90.171,120.231) U4.3@90.302,120.231
NetR23_2: R23.2 U5.1 | length 3.2
  Top Layer w0.7: R23.2@100.541,128.346 ccw(c101.024,128.346) 101.024,127.864 U5.1@103.489,127.864
NetR25_2: R25.2 U5.2 | length 3.2
  Top Layer w0.7: R25.2@100.567,126.213 cw(c100.948,126.213) 100.948,126.594 U5.2@103.505,126.594
NetR40_1: R40.1 U9.1 | length 2.1
  Top Layer w0.9: 111.768,77.935 R40.1@113.894,77.935
NetR44_2: R44.2 U7.6 | length 4.6
  Top Layer w0.5: U7.6@54.007,76.403 55.169,76.403 cw(c55.169,75.971) 55.601,75.971 R44.2@55.601,73.228
NetR46_2: R46.2 U7.9 U8.1 | length 14.3
  Top Layer w0.5: U7.9@59.207,76.403 R46.2@62.893,76.403 ; R46.2@62.611,76.233 64.29,76.233 cw(c64.29,73.931) 65.506,75.886 cw(c64.29,73.931) 65.662,75.78 cw(c64.29,73.931) 65.918,75.559 ccw(c67.072,77.146) 67.072,75.184 70.637,75.184 ccw(c70.637,75.768) 71.222,75.768 U8.1@71.222,77.228
NetR50_1: R50.1 U10.1 | length 2.1
  Top Layer w0.9: 122.631,77.961 R50.1@124.714,77.961
NetR55_1: R55.1 XS1.2 | length 11.3
  Top Layer w0.762: R55.1@48.354,116.357 48.354,117.888 cw(c50.894,117.888) 49.098,119.684 50.508,121.094 ccw(c48.712,122.89) 51.252,122.89 XS1.2@51.252,126.644
NetU7_12: U7.12 U8.2 U8.3 | length 12.3
  Top Layer w0.5: U7.12@59.207,80.213 v1(61.239,80.213) ; U8.3@68.682,77.228 v1(68.682,80.239)
  Bottom Layer w0.5: v1(61.239,80.213) ccw(c61.239,80.239) 61.265,80.239 v1@68.478,80.239
RESET: C32.1 R57.1 S1.2 U11.7 XS3.2 | length 71.8
  Top Layer w0.3: 49.894,98.958 52.897,98.958 ccw(c52.897,101.498) 54.694,99.702 58.451,103.46 cw(c60.248,101.664) 60.248,104.204 U11.7@62.928,104.204
  Top Layer w0.6: S1.2@36.728,105.181 42.207,99.702 ccw(c44.004,101.498) 44.004,98.958 49.894,98.958 ; R57.1@49.894,97.333 49.894,98.958 ; C32.1@49.894,100.457 49.894,98.958 ; v1(76.937,122.733) 77.842,123.638 ccw(c76.046,125.434) 78.586,125.434 XS3.2@78.586,127.094
  Bottom Layer w0.6: v1(56.896,102.083) 56.896,109.387 cw(c59.436,109.387) 57.64,111.183 61.918,115.461 cw(c63.714,113.665) 63.714,116.205 69.357,116.205 ccw(c69.357,118.745) 71.153,116.949 v1(76.937,122.733)
RESETn: R30.2 U5.8 U11.53 | length 40.9
  Top Layer w0.3: U11.53@70.228,109.004 70.228,111.315 cw(c72.768,111.315) 70.972,113.111 v1(71.196,113.335)
  Top Layer w0.5: R30.2@97.823,118.415 cw(c99.172,117.066) 99.172,118.974 v1(99.416,118.974) U5.8@103.505,118.974
  Bottom Layer w0.5: v1(71.196,113.335) 71.196,113.386 cw(c71.319,113.263) 71.319,113.436 92.826,113.436 ccw(c92.826,115.976) 94.622,114.18 v1(99.416,118.974)
SWCLK: U11.49 XS3.4 | length 22.7
  Top Layer w0.3: U11.49@72.228,109.004 72.228,116.247 v1(72.238,116.256)
  Top Layer w0.5: v1@81.086,123.266 XS3.4@81.086,127.094
  Bottom Layer w0.5: v1(72.238,116.256) 78.504,122.522 cw(c80.3,120.726) 80.3,123.266 v1(81.077,123.266)
SWDIO: U11.46 XS3.3 | length 27.7
  Top Layer w0.3: v1(72.517,106.204) U11.46@74.028,106.204
  Top Layer w0.5: v1@79.836,109.634 XS3.3@79.836,127.094 ; v1(79.85,109.634) v1@79.908,109.576
  Bottom Layer w0.5: v1(72.517,106.204) 75.221,108.908 cw(c77.017,107.112) 77.017,109.652 79.807,109.652 cw(c79.807,109.59) v1(79.85,109.634)
USBDM: R56.2 U11.44 | length 42
  Top Layer w0.3: U11.44@74.028,105.204 115.917,105.204 ccw(c115.917,105.343) R56.2@116.015,105.245
USBDP: R58.2 U11.45 | length 42.5
  Top Layer w0.3: U11.45@74.028,105.704 113.369,105.704 ccw(c113.369,108.244) 115.165,106.448 R58.2@116.019,107.302
VCC5V: C22.2 D11.2 D15.2 F4.2 IC1.8 IC2.1 IC2.3 Q2.2 Q5.3 Q6.3 Q7.3 Q8.3 R4.2 R8.2 R9.1 R11.2 R27.2 R48.1 R51.1 RL1.2 RL2.2 | length 244.7
  Top Layer w0.5: v1(40.818,62.382) ccw(c40.843,62.382) 40.843,62.357 R4.2@40.843,63.615 ; IC1.8@47.65,57.135 ccw(c47.65,57.82) 48.336,57.82 v1(48.336,62.332) 48.336,63.463 cw(c48.489,63.463) R11.2@48.489,63.615 ; R27.2@76.429,118.821 76.733,118.821 cw(c76.733,116.789) 78.765,116.789 78.765,108.102 cw(c78.74,108.102) v1(78.74,108.077) ; v1(81.991,94.437) 89.219,94.437 cw(c89.219,91.897) 91.016,93.693 92.949,91.76 ccw(c94.745,93.556) 94.745,91.016 R9.1@100.025,91.016 ; IC2.1@126.721,94.224 129.652,94.224 cw(c129.652,94.14) R8.2@129.735,94.14 ; IC2.3@126.721,96.124 129.735,96.124 C22.2@129.735,96.139
  Top Layer w0.8: v1(92.685,56.286) 100.395,56.286 ccw(c100.395,58.826) 102.192,57.03 104.82,59.659 cw(c106.617,57.863) 106.617,60.403 110.164,60.403 ; R9.1@100.025,91.016 103.657,91.016 ; Q6.3@103.632,99.771 Q6.3@103.657,99.771 ; RL1.2@106.274,63.856 109.086,61.044 ccw(c110.882,62.84) 110.164,60.403 ; 108.229,62.952 D11.2@108.229,68.936 ; R51.1@113.741,91.042 cw(c113.68,91.103) 113.68,91.016 R48.1@106.858,91.016 103.657,91.016 ; v2(116.154,73.381) D15.2@119.228,68.936 119.228,67.041 cw(c116.688,67.041) 118.484,65.245 114.386,61.147 cw(c112.59,62.943) 112.59,60.403 110.164,60.403 ; 129.752,100.372 129.752,100.482 ccw(c127.212,100.482) 127.212,103.022 Q5.3@103.657,103.022 Q6.3@103.657,99.771 ; 103.657,91.016 ccw(c103.473,91.2) 103.734,91.2 Q8.3@103.734,93.193 cw(c103.918,93.377) 103.657,93.377 Q7.3@103.657,96.52 Q6.3@103.657,99.771
  Top Layer w0.9: R8.2@129.735,94.14 C22.2@129.735,96.124 ; C22.2@129.735,96.139 129.735,98.374 F4.2@129.752,98.374 129.752,100.372
  Bottom Layer w0.5: v1(40.818,62.382) v1@48.336,62.382 ; v1(78.74,108.077) 78.74,96.977 ccw(c81.28,96.977) 81.28,94.437 v1(81.991,94.437)
  Bottom Layer w0.8: v1@48.336,62.382 53.688,57.03 ccw(c55.484,58.826) 55.484,56.286 v1(92.685,56.286) ; v2(111.328,90.907) 111.328,79.259 ccw(c113.868,79.259) 112.072,77.463 v2(116.154,73.381)
VIN1: P8.2 R20.1 | length 19
  Top Layer w0.5: R20.1@58.149,53.137 58.149,51.606 cw(c55.609,51.606) 57.405,49.81 56.827,49.233 ccw(c58.623,47.436) 56.083,47.436 56.083,46.137 ccw(c58.623,46.137) 56.827,44.341 62.504,38.664 ccw(c63.699,39.859) 63.519,38.178 ccw(c63.699,39.859) P8.2@63.699,38.169
VIN2: P10.2 R32.1 | length 8.8
  Top Layer w0.5: P10.2@63.699,44.714 64.11,45.125 ccw(c62.314,46.921) 64.854,46.921 R32.1@64.854,53.137
VRTC: R55.2 U11.1 | length 16.6
  Top Layer w0.279: R55.2@49.894,116.357 50.459,116.357 cw(c50.459,113.817) 52.255,115.613 59.944,107.925 ccw(c61.683,109.664) 61.683,107.204 U11.1@62.928,107.204
Wake_UP: R28.2 U5.7 U11.54 | length 42.7
  Top Layer w0.3: U11.54@69.728,109.004 69.728,113.317 cw(c71.011,113.317) v1(70.104,114.224)
  Top Layer w0.5: R28.2@97.823,120.269 ccw(c97.885,120.33) 97.885,120.244 v1(99.416,120.244) U5.7@103.505,120.244
  Bottom Layer w0.5: v1(70.104,114.224) 92.344,114.224 ccw(c92.344,116.764) 94.14,114.968 v1(99.416,120.244)
WP: AT1.7 R63.1 U11.57 | length 24.8
  Top Layer w0.3: AT1.7@67.005,122.929 67.005,115.047 ccw(c69.545,115.047) 67.749,113.251 cw(c66.592,112.094) 68.228,112.094 U11.57@68.228,109.004
  Top Layer w0.5: R63.1@60.587,128.778 ccw(c62.721,128.778) 62.721,126.644 65.126,126.644 cw(c65.126,124.765) 67.005,124.765 AT1.7@67.005,122.929
pads on no net: LM1.0 S1.0 S2.0 S3.0 U5.3 U5.11 U5.12 U5.13 U5.14 U5.15 U5.16 U11.2 U11.20 U11.21 U11.37 U11.38 U11.39 U11.40 U11.41 U11.50 U11.51 U11.52 U11.61 U11.62 U12. XS1.0 XS2.0 XS3.0

## Polygon pours and split planes (outlines as drawn)
GND on Top Layer "Top Layer-GND" (solid, remove dead copper, pour order 8): 33.63,131.369 144.018,131.369 144.018,35.56 32.614,35.56 32.614,36.576
GND on Bottom Layer "Bottom Layer-GND" (solid, remove dead copper, pour order 10): 33.426,131.166 144.018,131.166 144.018,35.763 33.02,35.763 33.02,35.966

## Keep-outs
Keep-Out Layer:
  lines w0.254: 33.605,40.766 ccw(c39.014,41.046) 39.599,35.662 ; 33.63,40.411 33.63,113.513 ; 33.63,113.132 cw(c39.855,112.994) 38.831,119.136 ; 38.507,119.029 ccw(c36.69,127.022) 44.704,125.298 cw(c50.444,124.841) 50.902,130.581 ; 38.532,35.662 136.55,35.662 ; 49.911,130.581 126.213,130.581 ; 125.425,130.556 cw(c125.857,123.063) 133.002,125.36 ; 132.911,125.665 ccw(c141.415,127.775) 138.807,119.41 ; 136.423,35.662 ccw(c136.677,42.57) 143.586,42.316 143.586,113.792 ; 138.488,119.506 cw(c137.173,113.195) 143.612,112.878

## Other copper
Top Layer:
  rectangle net GND: 133.782,48.387 137.82,57.023
  rectangle net GND: 136.373,48.285 142.672,54.991
  rectangle net Net+1_1: 135.026,64.795 141.376,67.132
  rectangle net Net+1_1: 135.026,60.096 136.271,65.354
  rectangle net Net+1_1: 140.31,57.531 142.545,93.04
  rectangle net NetD2_2: 123.444,82.245 132.817,84.43
  rectangle net NetC31_1: 49.428,106.807 52.481,107.848
  rectangle net 485RX: 52.959,77.318 55.474,79.35
  rectangle net NetU7_12: 68.301,76.124 70.333,78.359
  rectangle net GND: 53.924,61.189 56.794,67.335
  rectangle net GND: 54.007,60.376 55.397,61.476
  rectangle net GND: 54.051,60.046 54.813,60.798
  rectangle net VCC5V: 105.385,62.687 108.102,64.846
  rectangle net GND: 97.917,58.826 101.041,67.945
  rectangle net GND: 89.84,58.826 101.041,60.173
  rectangle net GND: 89.51,59.487 93.066,72.339
  rectangle net GND: 88.265,67.97 90.195,72.085
  rectangle net GND: 84.76,120.066 87.147,124.917
  rectangle net GND: 89.891,113.309 92.71,115.138
  rectangle net GND: 88.265,124.333 92.659,128.854

## Silkscreen, mask and mechanical layers (free items; w line width, h text height)
Top Overlay:
  drawing of 873 lines, arcs and shapes, not listed
  text "109.83 (mm)" at 80.803,143.415 h1 r359.81
  text "TX" at 86.081,127.66 h2
  text "RX" at 86.157,125.679 h2
  text "下载接口" at 86.019,122.377 h1.5
  text "D" at 79.4,122.199 h2
  text "C" at 81.839,122.199 h2
  text "R" at 77.038,122.123 h2
  text "-" at 74.498,122.072 h3
  text "+" at 84.049,121.818 h3
  text "-" at 53.213,120.421 h3
  text "+" at 48.971,120.371 h3
  text "纽扣电池" at 48.158,118.085 h2
  text "GND" at 105.41,112.624 h1
  text "1" at 107.696,110.007 h1
  text "0" at 105.258,109.982 h1
  text "3V3" at 105.435,107.417 h1
  text "复位按键" at 42.824,107.264 h2.5 r270
  text "3V3" at 135.509,106.915 h1
  text "RX" at 135.712,104.572 h1
  text "电磁阀V3.0" at 77.419,102.667 h3
  text "TX" at 135.738,102.489 h1
  text "调试串口" at 134.39,101.143 h1.8 r90
  text "GND" at 135.357,100.508 h1
  text "20.19年6月26日" at 78.003,99.466 h2
  text "按键一" at 42.824,94.209 h2.5 r270
  text "95.708 (mm)" at 20.405,91.4 h1 r270.26
  text "共阴" at 83.49,84.379 h2
  text "绿" at 73.99,82.398 h2
  text "红" at 83.318,82.398 h2
  text "红" at 94.666,82.398 h2
  text "按键二" at 42.824,82.296 h2.5 r270
  text "绿" at 85.573,82.22 h2
  text "电源" at 99.492,79.07 h2
  text "继电器1" at 105.562,79.07 h2
  text "继电器2" at 112.598,79.07 h2
  text "24V" at 65.989,49.445 h1.3
  text "电流" at 59.766,49.44 h1.3
  text "电压" at 62.84,49.44 h1.3
  text "GND" at 44.044,49.403 h1.5
  text "GND" at 56.49,49.411 h1.3
  text "24V" at 83.287,49.378 h1.5
  text "GND" at 89.687,49.378 h1.5
  text "24V" at 109.753,49.378 h1.5
  text "输出" at 48.158,49.324 h1.5
  text "A" at 74.498,49.322 h2
  text "GND" at 101.219,49.327 h1.5
  text "GND" at 113.081,49.327 h1.5
  text "输入" at 86.284,49.301 h1.5
  text "B" at 78.435,49.283 h2
  text "输出" at 97.536,49.182 h1.5
  text "模拟" at 51.968,45.923 h2
  text "模拟" at 69.088,45.923 h2
  text "数字" at 93.37,45.923 h2
  text "数字" at 105.08,45.923 h2
  text "继电器" at 116.535,45.923 h2
  text "485" at 82.474,44.679 h2 r90
  text "开关" at 130.15,44.323 h1.5
  text "输入" at 69.24,43.891 h2
  text "输出" at 52.019,43.866 h2
  text "输入" at 93.345,43.866 h2
  text "输出" at 105.08,43.866 h2
  text "1" at 81.534,42.443 h2
  text "1" at 53.34,42.291 h2
  text "1" at 70.434,42.291 h2
  text "1" at 94.59,42.291 h2
  text "1" at 106.299,42.291 h2
  text "1" at 118.77,42.291 h2
  text "模拟" at 51.943,39.675 h2
  text "模拟" at 69.139,39.675 h2
  text "数字" at 93.193,39.675 h2
  text "数字" at 105.131,39.675 h2
  text "继电器" at 116.535,39.675 h2
  text "DC座" at 129.946,39.395 h1.5
  text "485" at 82.474,38.608 h2 r90
  text "输出" at 105.131,37.719 h2
  text "输出" at 51.994,37.694 h2
  text "输入" at 69.24,37.694 h2
  text "输入" at 93.243,37.694 h2
  text "24V" at 130.251,37.084 h1.5
  text "2" at 81.534,36.093 h2
  text "2" at 118.999,36.017 h2
  text "2" at 53.365,35.966 h2
  text "2" at 70.79,35.966 h2
  text "2" at 94.564,35.966 h2
  text "2" at 106.324,35.966 h2
Mechanical 1:
  lines w0.254: 44.825,126.145 cw(c50.165,125.222) 50.47,130.632 125.833,130.632 ; 44.871,126.398 cw(c36.137,127.542) 38.389,119.025 ccw(c39.789,113.017) 33.63,113.36 33.63,41.204 ccw(c39.131,41.112) 39.04,35.611 136.398,35.611 ccw(c136.727,42.522) 143.637,42.164 143.637,112.852 ccw(c137.057,113.123) 139.518,119.231 ; 125.086,130.627 cw(c125.438,122.466) 133.172,125.095 ; 133.147,125.12 ccw(c141.808,128.092) 139.517,119.226

## Text inside footprints (layer, text, board x,y; h text height)
C4: Top Overlay "+" at 127.762,54.788 h1.75 r180
L1: Top Overlay "471" at 135.103,81.458 h3 r90